# KiCad board ESP32C6-dev-board.kicad_pcb
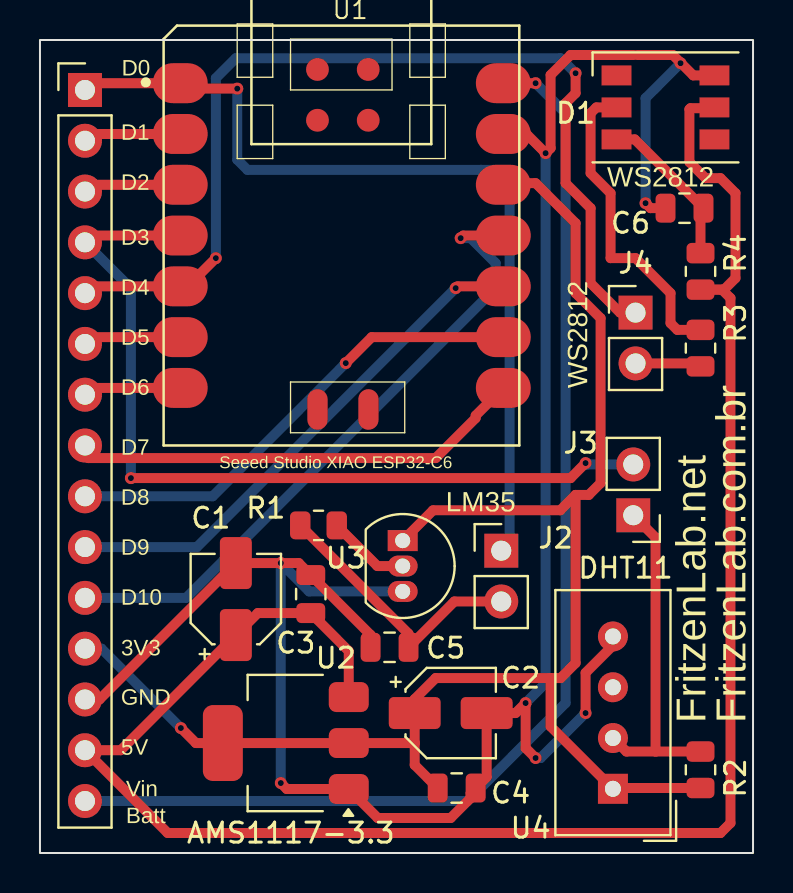
[diagram p0: board, top side]
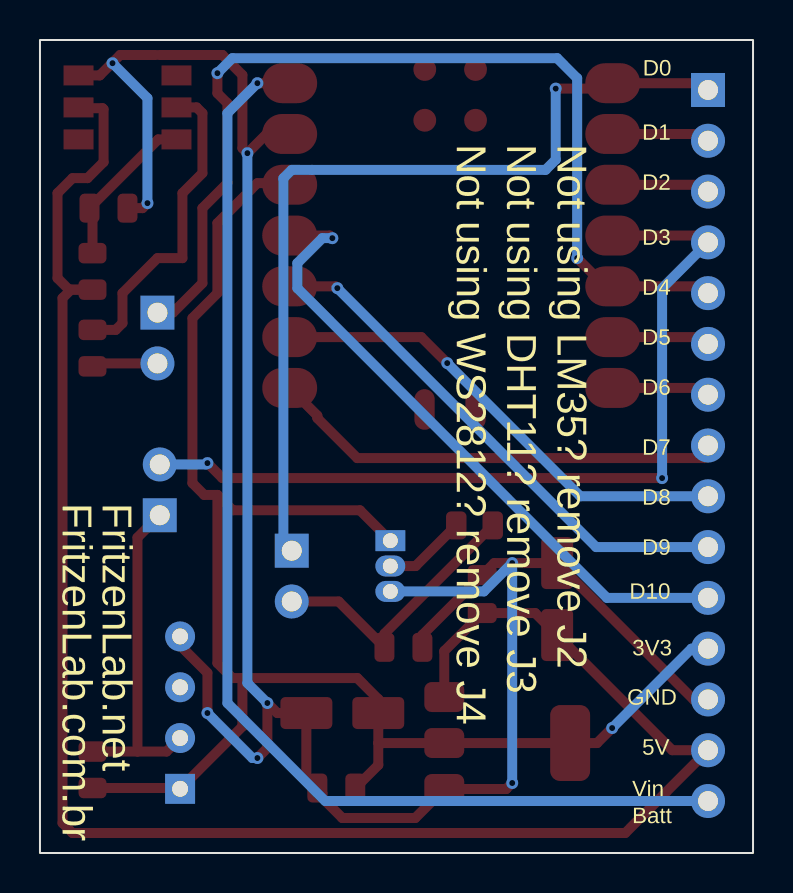
[diagram p1: board, bottom side, seen from below]

Outline 35.68 x 40.66 mm; copper layers: Top, Bottom. Coordinates in mm from the lower left corner of the outline.
Outline path: rectangle 0,40.66 35.68,0

## Placement (name value [footprint] x y rotation side)
C1  10u  [CP_Elec_4x5.4]  9.8 12.7 90 top
C2  10u  [CP_Elec_4x5.4]  20.55 7 0 top
C3  100n  [C_0805_2012Metric]  13.55 12.95 90 top
C4  100n  [C_0805_2012Metric]  20.85 3.25 0 top
C5  100n  [C_0805_2012Metric]  17.49 10.29 180 top
C6  100n  [C_0805_2012Metric]  32.25 32.25 180 top
D1  WS2812  [LED_WS2812_PLCC6_5.0x5.0mm_P1.6mm]  31.3 37.29 0 top
J1  Conn_01x15_Pin  [PinHeader_1x15_P2.54mm_Vertical]  2.25 38.16 0 top
J2  Conn_01x02_Pin  [PinHeader_1x02_P2.54mm_Vertical]  23.08 15.12 0 top
J3  Conn_01x02_Pin  [PinHeader_1x02_P2.54mm_Vertical]  29.68 16.89 180 top
J4  Conn_01x02_Pin  [PinHeader_1x02_P2.54mm_Vertical]  29.8 27.03 0 top
R1  470  [R_0805_2012Metric]  13.94 16.38 180 top
R2  10k  [R_0805_2012Metric]  33.05 4.16 270 top
R3  470  [R_0805_2012Metric]  33.05 25.25 270 top
R4  R  [R_0805_2012Metric]  33.05 29.09 90 top
U1  Seeed Studio XIAO ESP32-C6  [Seeeduino XIAO-MOUDLE14P-2.54-21X17.8MM]  6.19 20.38 0 top
U2  AMS1117-3.3  [SOT-223-3_TabPin2]  12.3 5.5 180 top
U3  LM35  [TO-92_Inline]  18.15 15.62 270 top
U4  DHT11  [Aosong_DHT11_5.5x12.0_P2.54mm]  28.67 3.21 180 top

## Library data of the parts
C1 C2 = -: Description: Polarized capacitor; ki_fp_filters: CP_*
C3-C6 = -: Description: Unpolarized capacitor; ki_fp_filters: C_*
D1 = -: Datasheet: https://cdn-shop.adafruit.com/datasheets/WS2812.pdf; Description: RGB LED with integrated controller; ki_fp_filters: LED*WS2812*PLCC*5.0x5.0mm*P1.6mm*
J1 = -: Description: Generic connector, single row, 01x15, script generated; ki_fp_filters: Connector*:*_1x??_*
J2-J4 = -: Description: Generic connector, single row, 01x02, script generated; ki_fp_filters: Connector*:*_1x??_*
R1-R4 = -: Description: Resistor; ki_fp_filters: R_*
U2 = -: Datasheet: http://www.advanced-monolithic.com/pdf/ds1117.pdf; Description: 1A Low Dropout regulator, positive, 3.3V fixed output, SOT-223; ki_fp_filters: SOT?223*TabPin2*
U3 = -: Datasheet: http://www.ti.com/lit/ds/symlink/lm35.pdf; Description: Precision centigrade temperature sensor, TO-92; ki_fp_filters: TO?92*
U4 = -: Datasheet: http://akizukidenshi.com/download/ds/aosong/DHT11.pdf; Description: 3.3V to 5.5V, temperature and humidity module, DHT11; ki_fp_filters: Aosong*DHT11*5.5x12.0*P2.54mm*

## Footprints (pads in the part's own frame, mm; a bottom-side part is the same pattern mirrored in y, then rotated)
Aosong_DHT11_5.5x12.0_P2.54mm
  rect 1.5x1.5 hole 0.8: 1(0,0)
  round 1.5 hole 0.8: 2(0,-2.54) 3(0,-5.08) 4(0,-7.62)
C_0805_2012Metric
  rrect 1x1.45 smd: 1(-0.95,0) 2(0.95,0)
CP_Elec_4x5.4
  rrect 2.6x1.6 smd: 1(-1.8,0) 2(1.8,0)
LED_WS2812_PLCC6_5.0x5.0mm_P1.6mm
  rect 1.5x1 smd: 1(-2.45,1.6) 2(-2.45,0) 3(-2.45,-1.6) 4(2.45,-1.6) 5(2.45,0) 6(2.45,1.6)
PinHeader_1x02_P2.54mm_Vertical
  rect 1.7x1.7 hole 1: 1(0,0)
  oval 1.7x1.7 hole 1: 2(0,-2.54)
PinHeader_1x15_P2.54mm_Vertical
  rect 1.7x1.7 hole 1: 1(0,0)
  oval 1.7x1.7 hole 1: 2(0,-2.54) 3(0,-5.08) 4(0,-7.62) 5(0,-10.16) 6(0,-12.7) 7(0,-15.24) 8(0,-17.78) 9(0,-20.32) 10(0,-22.86) 11(0,-25.4) 12(0,-27.94) 13(0,-30.48) 14(0,-33.02) 15(0,-35.56)
R_0805_2012Metric
  rrect 1.025x1.4 smd: 1(-0.912,0) 2(0.912,0)
Seeeduino XIAO-MOUDLE14P-2.54-21X17.8MM
  oval 2.748x1.999 smd: 1(0.833,18.118) 2(0.833,15.578) 3(0.833,13.038) 4(0.833,10.498) 5(0.833,7.958) 6(0.833,5.418) 7(0.833,2.878) 8(16.998,2.878) 9(16.998,5.418) 10(16.998,7.958) 11(16.998,10.498) 12(16.998,13.038) 13(16.998,15.578) 14(16.998,18.118)
  oval 1.016x2.032 smd: 15(7.7,1.8) 16(10.25,1.8)
  round 1.143 smd: 17(7.699,18.804) 18(10.239,18.804) 19(7.699,16.264) 20(10.239,16.264)
SOT-223-3_TabPin2
  rrect 2x1.5 smd: 1(-3.15,2.3) 2(-3.15,0) 3(-3.15,-2.3)
  rrect 2x3.8 smd: 2(3.15,0)
TO-92_Inline
  rect 1.05x1.5 hole 0.75: 1(0,0)
  oval 1.05x1.5 hole 0.75: 2(1.27,0) 3(2.54,0)

## Nets
3V3: C2.1 C4.1 J1.12 R2.2 U1.12 U2.2 U3.1 U4.1
5V: C1.1 C3.1 D1.5 J1.14 R4.1 U2.3
GND: C1.2 C2.2 C3.2 C4.2 C5.2 C6.2 D1.6 J1.13 U1.13 U2.1 U3.3 U4.4
VIN: J1.15 U1.14
D0-A0: J1.1 J2.1 U1.1
D1-A1: J1.2 U1.2
D2-A2: J1.3 U1.3
D3: J1.4 J3.2 U1.4
D4-SDA: J1.5 J4.1 U1.5
D5-SCL: J1.6 U1.6
D6-TX: J1.7 U1.7
D7-RX: J1.8 U1.8
D8-SCK: J1.9 U1.9
D9-MISO: J1.10 U1.10
D10-MOSI: J1.11 U1.11
Net-(D1-DIN): D1.2 R3.1
Net-(D1-VCC): C6.1 D1.3 R4.2
Net-(J2-Pin_2): C5.1 J2.2 R1.2
Net-(J3-Pin_1): J3.1 R2.1 U4.2
Net-(J4-Pin_2): J4.2 R3.2
Net-(U3-V_{OUT}): R1.1 U3.2

Pads without a net: D1 1 4; U1 15 16 17 18 19 20; U4 3

## Via types
v1: diameter 0.6, hole 0.3, Top to Bottom, 18 vias

## Routing (per net, layer and track width the routed paths; a pad name or vN(x,y) marks a point on that pad's centre or on a via; arc(x,y) is an arc through that point)
3V3: length 81.4
  Top w0.5: U1.12 23.26,33.5 24.8,33.5 26.8,31.5 26.8,28 28.05,26.75 28.05,18.5 27.46,17.91 26.8,17.91 ; 26.8,17.91 26.8,9.5 26.05,8.75 25.55,8.75 ; 26.8,17.91 26.03,17.14 19.67,17.14 U3.1 ; 18.75,5.5 U2.2 U2.2 7.8,5.5 v1(7.05,6.25) ; 18.75,5.5 C2.1 18.75,7.7 19.8,8.75 25.55,8.75 ; 18.75,5.5 18.75,4.4 C4.1 ; R2.2 28.71,3.25 U4.1 25.55,6.33 25.55,8.75
  Bottom w0.5: v1(7.05,6.25) 3.08,10.22 1.8,10.22
5V: length 94.8
  Top w0.5: D1.5 33.2,37.29 33.16,37.25 32.55,37.25 32.49,37.19 32.49,34.56 33.3,33.75 34.05,33.75 34.8,33 34.8,28.75 34.23,28.17 R4.1 34.12,28.17 34.55,27.75 34.55,1.5 34.05,1 6.39,1 J1.14 ; U2.3 15.45,10.1 C3.1 10.9,12 C1.1 4.04,5.14 1.8,5.14
GND: length 117.7
  Top w0.5: C6.2 30.55,32.25 v1(30.3,32.5) ; 29.71,39.91 26.55,39.91 25.55,38.91 25.55,35.25 v1(25.3,35) 24.34,35.96 U1.13 ; D1.6 32.69,38.89 32.08,39.5 v1(32.05,39.5) 32.05,39.53 31.67,39.91 29.89,39.91 ; v1(27.3,7) 27.3,9.01 28.67,10.38 U4.4 ; v1(12.05,3.5) 12.35,3.2 U2.1 16.9,1.75 20.55,1.75 21.55,2.75 21.55,3 C4.2 22.35,3.8 C2.2 23.8,7 v1(24.3,7.5) 24.3,5.25 v1(24.8,4.75) ; 1.8,7.68 2.98,7.68 C1.2 v1(12.05,14.5) 12.95,14.5 C3.2 16.54,10.91 C5.2
  Bottom w0.5: v1(27.3,7) 25.05,4.75 v1(24.8,4.75) ; v1(30.3,32.5) 30.3,37.75 v1(32.05,39.5) ; U3.3 13.47,13.08 v1(12.05,14.5) v1(12.05,3.5) ; v1(25.3,35) 25.3,8.5 v1(24.3,7.5)
VIN: length 59.8
  Top w0.5: v1(24.8,38.5) U1.14
  Bottom w0.5: 1.8,2.6 21.4,2.6 26.3,7.5 26.3,37 v1(24.8,38.5)
D0-A0: length 44.7
  Top w0.5: 1.8,38.16 2.14,38.5 U1.1 7.29,38.23 v1(9.87,38.23)
  Bottom w0.5: J2.1 23.5,15.54 23.5,33.74 23.08,34.16 10.38,34.16 9.87,34.67 v1(9.87,38.23)
D1-A1: length 5.4
  Top w0.5: U1.2 2.14,35.96 1.8,35.62
D2-A2: length 5.4
  Top w0.5: U1.3 2.14,33.42 1.8,33.08
D3: length 43.6
  Top w0.5: 1.8,30.54 2.14,30.88 U1.4 ; v1(27.3,19.5) 26.55,18.75 v1(4.55,18.75)
  Bottom w0.5: J1.4 4.55,28.24 v1(4.55,18.75) ; J3.2 27.37,19.43 v1(27.3,19.5)
D4-SDA: length 49.5
  Top w0.5: J4.1 29.02,27.03 27.55,28.5 27.55,32.25 26.3,33.5 26.3,37.5 26.8,38 v1(26.8,39) ; v1(8.8,29.75) 7.39,28.34 U1.5 2.14,28.34 1.8,28
  Bottom w0.5: v1(26.8,39) 26.05,39.75 9.8,39.75 8.8,38.75 v1(8.8,29.75)
D5-SCL: length 5.4
  Top w0.5: 1.8,25.46 2.14,25.8 U1.6
D6-TX: length 5.4
  Top w0.5: 1.8,22.92 2.14,23.26 U1.7
D7-RX: length 23.2
  Top w0.5: 1.8,20.38 2.43,19.75 19.8,19.75 21.8,21.75 21.8,21.88 U1.8
D8-SCK: length 24.2
  Top w0.5: U1.9 16.6,25.8 v1(15.3,24.5)
  Bottom w0.5: J1.9 8.64,17.84 v1(15.3,24.5)
D9-MISO: length 26.8
  Top w0.5: U1.10 20.89,28.34 v1(20.8,28.25)
  Bottom w0.5: v1(20.8,28.25) 7.85,15.3 1.8,15.3
D10-MOSI: length 33.1
  Top w0.5: U1.11 21.18,30.88 v1(21.05,30.75)
  Bottom w0.5: 1.8,12.76 7.31,12.76 22.8,28.25 22.8,29.5 21.55,30.75 v1(21.05,30.75)
Net-(D1-DIN): length 15.9
  Top w0.5: D1.2 27.84,37.29 27.55,37 27.55,34 28.55,33 28.55,29.75 29.8,29.75 31.55,28 31.55,26.5 31.89,26.16 R3.1
Net-(D1-VCC): length 8.1
  Top w0.5: R4.2 33.05,32.1 C6.1 29.76,35.69 D1.3
Net-(J2-Pin_2): length 13.9
  Top w0.5: J2.2 20.73,12.58 C5.1 18.44,10.97 R1.2
Net-(J3-Pin_1): length 16.9
  Top w0.5: 30.8,5.08 29.34,5.08 U4.2 ; 30.8,5.08 30.8,15.78 J3.1 ; 30.8,5.08 33.05,5.08
Net-(J4-Pin_2): length 3.3
  Top w0.5: R3.2 32.9,24.48 J4.2
Net-(U3-V_{OUT}): length 4.1
  Top w0.5: R1.1 16.88,14.35 U3.2

## Text on the board
B.Silkscreen: GND | D1 | D2 | D3 | D4 | D5 | D6 | D7 | D8 | D9 | 5V | Vin / Batt | D10 | D0 | 3V3 | Not using LM35? remove J2 / Not using DHT11? remove J3 / Not using WS2812? remove J4 | FritzenLab.net | FritzenLab.com.br
F.Silkscreen: GND | D1 | D2 | D3 | D4 | D5 | D6 | D7 | D8 | D9 | D10 | 5V | Vin / Batt | D0 | 3V3 | WS2812 | FritzenLab.net | FritzenLab.com.br
